# KiCad board gridnavigator.kicad_pcb
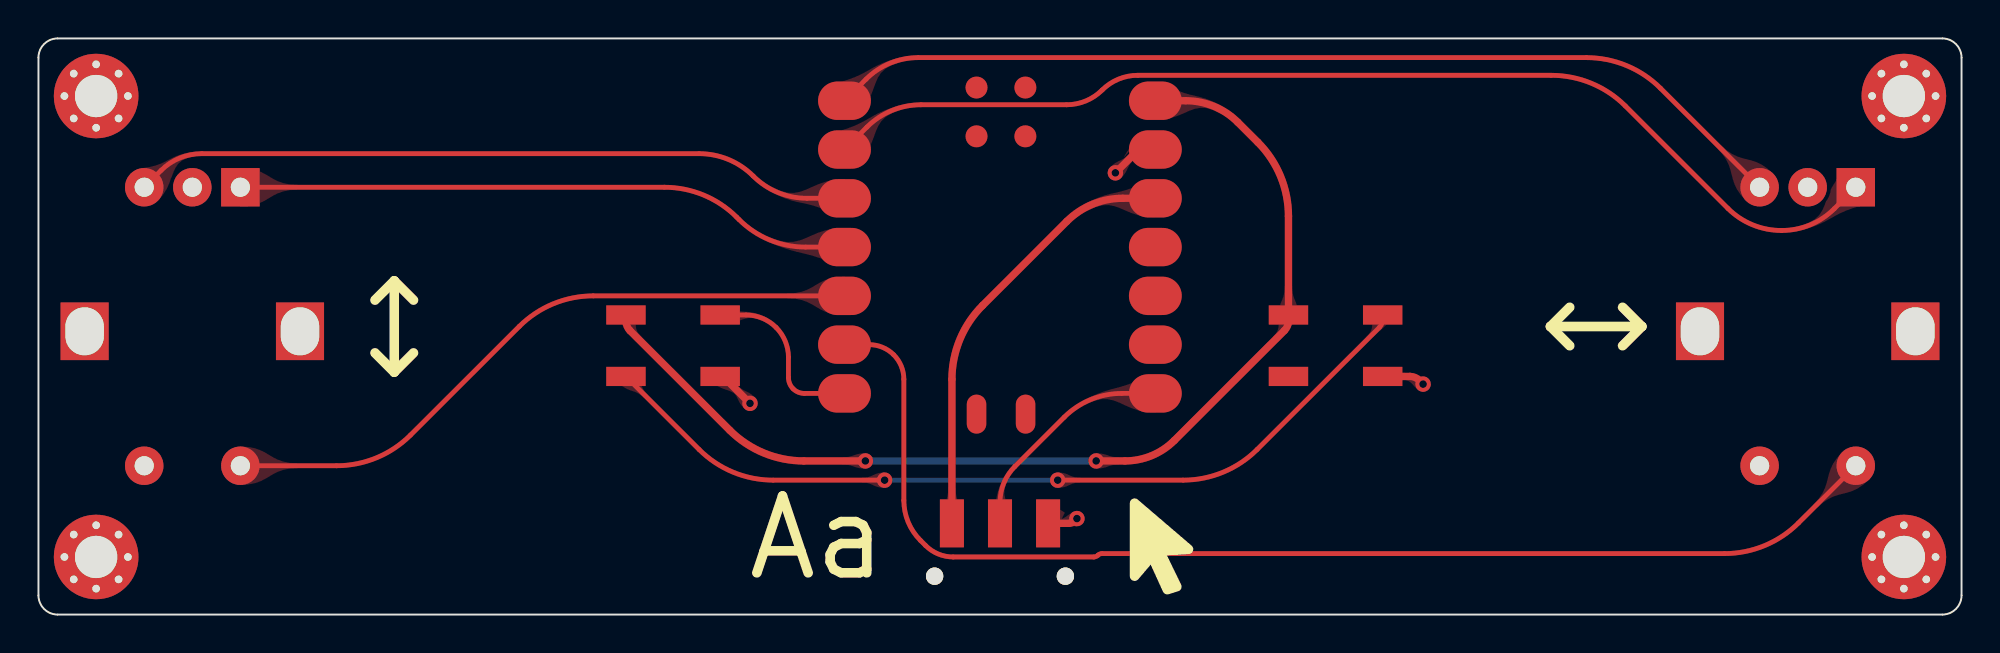
[diagram p0: board, top side]
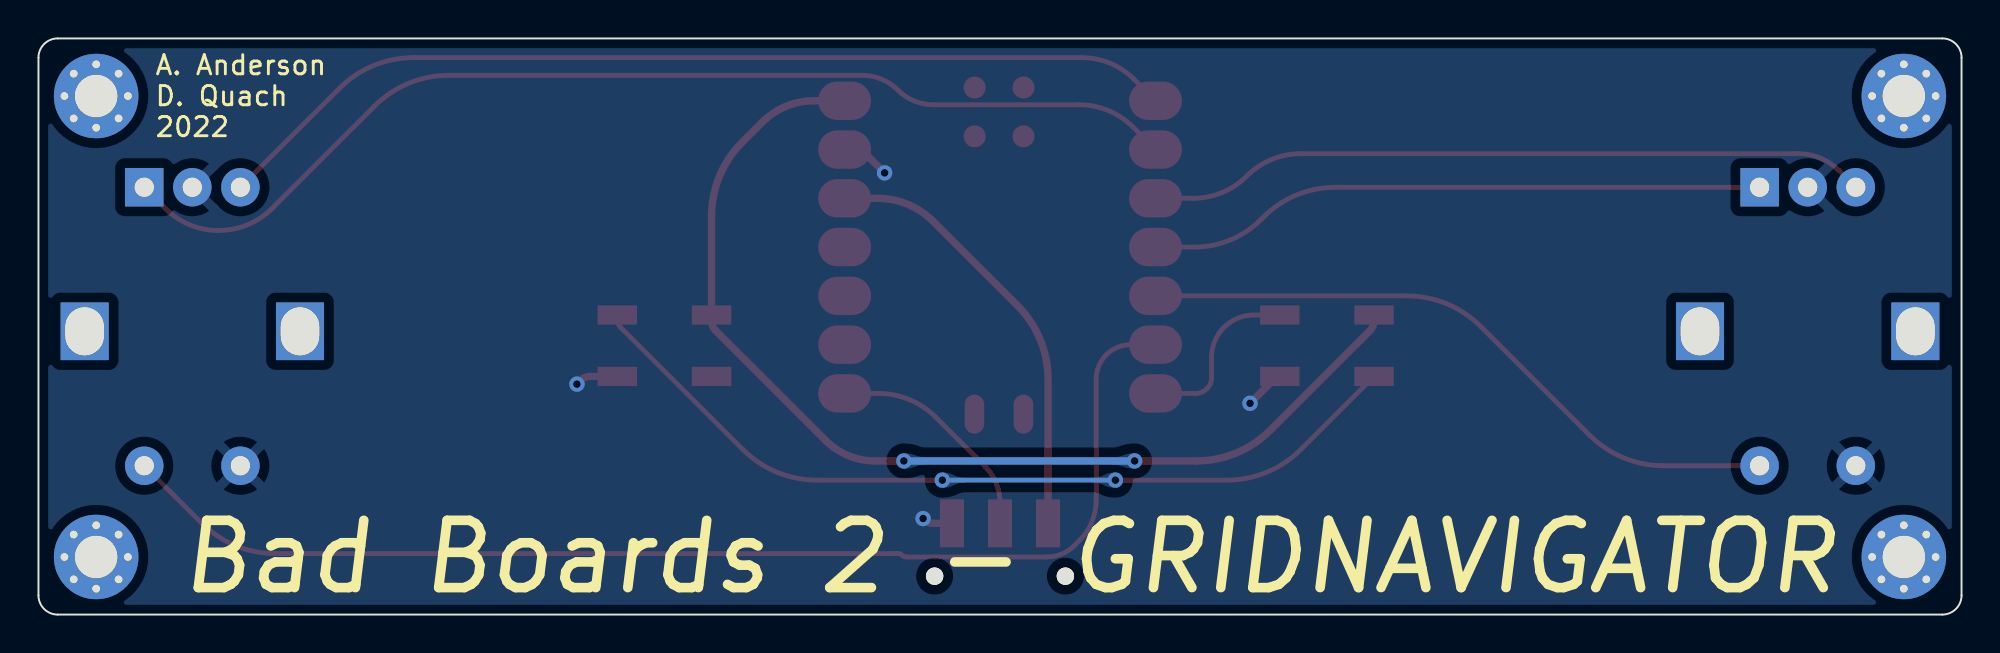
[diagram p1: board, bottom side, seen from below]

Outline 100 x 30 mm; copper layers: Top, Bottom. Coordinates in mm from the lower left corner of the outline.
Outline path: 0,29 arc(0.29,29.71) 1,30 99,30 arc(99.71,29.71) 100,29 100,1 arc(99.71,0.29) 99,0 1,0 arc(0.29,0.29) 0,1 0,29
Stack: Top 0.035mm / dielectric 1.51mm FR4 er 4.5 / Bottom 0.035mm

## Placement (name value [footprint] x y rotation side)
D1  WS2812B  [LED_WS2812B_PLCC4_5.0x5.0mm_P3.2mm_longpads]  33 14 0 top
D2  WS2812B  [LED_WS2812B_PLCC4_5.0x5.0mm_P3.2mm_longpads]  67.45 14 0 top
REF**  -  [MountingHole_2.2mm_M2_Pad_Via]  97 3 0 top
REF**#2  -  [MountingHole_2.2mm_M2_Pad_Via]  3 27 0 top
REF**#3  -  [MountingHole_2.2mm_M2_Pad_Via]  97 27 0 top
REF**#4  -  [MountingHole_2.2mm_M2_Pad_Via]  3 3 0 top
SW1  RotaryEncoder_Switch  [RotaryEncoder_Alps_EC12E-Switch_Vertical_H20mm]  10.5 22.25 270 top
SW2  RotaryEncoder_Switch  [RotaryEncoder_Alps_EC12E-Switch_Vertical_H20mm]  94.5 22.25 270 top
SW3  SW_SPDT  [SW_SPDT_CK-JS102011SAQN]  50 2 0 top
U1  SeeeduinoXIAO  [Seeeduino XIAO-MOUDLE14P-2.54-21X17.8MM]  41.08 8.64 0 top

## Library data of the parts
D1 D2 = -: Field4: 1

## Footprints (pads in the part's own frame, mm; a bottom-side part is the same pattern mirrored in y, then rotated)
LED_WS2812B_PLCC4_5.0x5.0mm_P3.2mm_longpads
  rect 2.05x1 smd: 1(-2.45,1.6) 2(-2.45,-1.6) 3(2.45,-1.6) 4(2.45,1.6)
MountingHole_2.2mm_M2_Pad_Via
  round 0.7 hole 0.4: 1(-1.65,0) 1(-1.167,1.167) 1(-1.167,-1.167) 1(0,1.65) 1(0,-1.65) 1(1.167,1.167) 1(1.167,-1.167) 1(1.65,0)
  round 4.4 hole 2.2: 1(0,0)
RotaryEncoder_Alps_EC12E-Switch_Vertical_H20mm
  rect 2x2 hole 1: A(0,0)
  round 2 hole 1: B(0,-5) C(0,-2.5) S1(14.5,0) S2(14.5,-5)
  rect 3x2.5 hole 2.5x2: MP(7.5,3.1) MP(7.5,-8.1)
Seeeduino XIAO-MOUDLE14P-2.54-21X17.8MM
  oval 2.748x1.999 smd: 1(0.833,18.118) 2(0.833,15.578) 3(0.833,13.038) 4(0.833,10.498) 5(0.833,7.958) 6(0.833,5.418) 7(0.833,2.878) 8(16.998,2.878) 9(16.998,5.418) 10(16.998,7.958) 11(16.998,10.498) 12(16.998,13.038) 13(16.998,15.578) 14(16.998,18.118)
  oval 1.016x2.032 smd: 15(7.7,1.8) 16(10.25,1.8)
  round 1.143 smd: 17(7.699,18.804) 18(10.239,18.804) 19(7.699,16.264) 20(10.239,16.264)
SW_SPDT_CK-JS102011SAQN
  round 0.9 hole 0.9 unplated: (-3.4,0) (3.4,0)
  rect 1.25x2.5 smd: 1(-2.5,2.75) 2(0,2.75) 3(2.5,2.75)

## Nets
+3V3: SW3.1 U1.12
+5V: D1.1 D2.1 U1.14
Earth: D1.3 D2.3 SW1.C SW1.S2 SW2.C SW2.S2 SW3.3 U1.13
Net-(D1-Pad2): D1.2 D2.4
Net-(D1-Pad4): D1.4 U1.7
Net-(SW1-PadA): SW1.A U1.4
Net-(SW1-PadB): SW1.B U1.3
Net-(SW1-PadS1): SW1.S1 U1.5
Net-(SW2-PadA): SW2.A U1.2
Net-(SW2-PadB): SW2.B U1.1
Net-(SW2-PadS1): SW2.S1 U1.6
Net-(SW3-Pad2): SW3.2 U1.8

Pads without a net: D2 2; REF** 1; REF**#2 1; REF**#3 1; REF**#4 1; SW1 MP; SW2 MP; U1 9 10 11 15 16 17 18 19 20

## Via types
v1: diameter 0.8, hole 0.4, Top to Bottom, 8 vias

## Routing (per net, layer and track width the routed paths; a pad name or vN(x,y) marks a point on that pad's centre or on a via; arc(x,y) is an arc through that point)
+3V3: length 22.9
  Top w0.381: U1.12 56.38,21.68 arc(54.8,21.36) 53.47,20.47 49.09,16.09 arc(47.91,14.33) 47.5,12.25 SW3.1
+5V: length 56.5
  Top w0.381: U1.14 59.66,26.76 arc(61.12,26.46) 62.36,25.64 63.41,24.59 arc(64.59,22.83) 65,20.75 65,15.3 arc(64.94,15.02) 64.79,14.79 59.06,9.06 arc(57.89,8.28) 56.5,8 v1(55,8) ; D1.1 30.55,15.3 arc(30.61,15.02) 30.76,14.78 35.95,9.59 arc(37.72,8.41) 39.8,8 v1(43,8)
  Bottom w0.381: v1(55,8) v1(43,8)
Earth: length 8.5
  Top w0.381: v1(54,5) 53.88,4.88 arc(53.74,4.78) 53.57,4.75 SW3.3 ; D1.3 35.53,12.4 arc(35.59,12.39) 35.65,12.35 v1(37,11) ; D2.3 71.32,12.4 arc(71.58,12.35) 71.8,12.2 v1(72,12) ; v1(56,23) 56.91,23.91 arc(57.25,24.14) 57.65,24.22 U1.13
Net-(D1-Pad2): length 44.9
  Top w0.25: v1(53,7) 59.52,7 arc(61.6,7.41) 63.37,8.59 69.73,14.96 arc(69.86,15.14) 69.9,15.36 D2.4 ; D1.2 34.36,8.59 arc(36.12,7.41) 38.2,7 v1(44,7)
  Bottom w0.25: v1(44,7) v1(53,7)
Net-(D1-Pad4): length 9.2
  Top w0.25: U1.7 39.83,11.52 arc(39.51,11.58) 39.24,11.76 arc(39.06,12.03) 39,12.34 39,13.39 arc(38.83,14.24) 38.35,14.95 arc(37.64,15.43) 36.79,15.6 D1.4
Net-(SW1-PadA): length 32.3
  Top w0.25: SW1.A 32.55,22.25 arc(34.58,21.85) 36.31,20.69 36.43,20.57 arc(38.02,19.51) 39.89,19.14 U1.4
Net-(SW1-PadB): length 37.6
  Top w0.25: U1.3 39.97,21.68 arc(38.45,21.98) 37.16,22.84 arc(35.87,23.7) 34.36,24 8.49,24 arc(7.34,23.77) 6.38,23.12 SW1.B
Net-(SW1-PadS1): length 34.6
  Top w0.25: U1.5 28.85,16.6 arc(26.77,16.18) 25,15 19.34,9.34 arc(17.58,8.16) 15.5,7.75 SW1.S1
Net-(SW2-PadA): length 57.5
  Top w0.25: SW2.A 93.38,21.12 arc(92.13,20.29) 90.66,20 90.62,20 arc(89.12,20.3) 87.85,21.15 82.51,26.49 arc(80.75,27.67) 78.67,28.08 57.16,28.08 arc(56.16,27.88) 55.31,27.31 arc(54.46,26.74) 53.46,26.55 45.89,26.55 arc(44.37,26.24) 43.08,25.38 U1.2
Net-(SW2-PadB): length 50.9
  Top w0.25: SW2.B 84.34,27.41 arc(82.58,28.59) 80.5,29 45.75,29 arc(44.28,28.71) 43.04,27.88 U1.1
Net-(SW2-PadS1): length 63.4
  Top w0.25: U1.6 43.2,14.06 arc(43.89,13.92) 44.47,13.53 arc(44.86,12.94) 45,12.25 45,5.95 arc(45.22,4.82) 45.86,3.86 46.13,3.59 arc(46.79,3.15) 47.56,3 54.88,3 arc(54.99,3.02) 55.09,3.09 arc(55.18,3.15) 55.3,3.18 87.67,3.18 arc(89.75,3.59) 91.52,4.77 SW2.S1
Net-(SW3-Pad2): length 11.9
  Top w0.25: SW3.2 50,5.84 arc(50.2,6.85) 50.77,7.71 53.34,10.28 arc(54.71,11.19) 56.33,11.52 U1.8

## Copper pours and planes (outline as drawn; the poured copper is in the pictures)
+3V3 on Top: 54.54,21.03 54.98,21.22 55.34,21.31 55.66,21.32 55.95,21.26 56.23,21.16 56.52,21.04 56.83,20.91 57.18,20.79 57.59,20.71 58.08,20.68 58.58,21.68 57.61,22.56 57.19,22.35 56.83,22.2 56.52,22.1 56.25,22.02 55.73,21.9 55.45,21.83 55.14,21.72 54.79,21.57 54.37,21.37
+3V3 on Top: 47.31,6.62 47.3,6.36 47.26,6.15 47.22,5.97 47.16,5.82 47.03,5.55 46.97,5.4 46.92,5.22 46.89,5.01 46.88,4.75 47.5,4.44 48.12,4.75 48.11,5.01 48.08,5.22 48.03,5.4 47.97,5.55 47.84,5.82 47.78,5.97 47.74,6.15 47.7,6.36 47.69,6.62
+5V on Top: 64.81,17.1 64.8,16.89 64.78,16.72 64.74,16.58 64.7,16.46 64.61,16.24 64.57,16.12 64.53,15.98 64.51,15.81 64.5,15.6 65,15.35 65.5,15.6 65.49,15.81 65.47,15.98 65.43,16.12 65.39,16.24 65.3,16.46 65.26,16.58 65.22,16.72 65.2,16.89 65.19,17.1
+5V on Top: 61.67,26.41 61.27,26.62 60.93,26.77 60.64,26.88 60.37,26.96 59.87,27.08 59.61,27.15 59.31,27.26 58.97,27.41 58.58,27.62 57.58,26.76 58.08,25.76 58.55,25.79 58.94,25.87 59.28,25.99 59.59,26.12 59.86,26.24 60.13,26.33 60.41,26.39 60.72,26.37 61.07,26.28 61.48,26.08
+5V on Top: 64.47,14.2 64.6,14.33 64.7,14.45 64.78,14.55 64.85,14.64 64.97,14.81 65.04,14.9 65.12,15 65.22,15.11 65.35,15.25 65.04,15.85 64.51,15.67 64.49,15.5 64.48,15.35 64.48,15.22 64.49,15.11 64.48,15 64.47,14.9 64.44,14.81 64.39,14.7 64.31,14.59 64.2,14.47
+5V on Top: 41.81,7.81 41.97,7.8 42.11,7.79 42.22,7.76 42.32,7.74 42.49,7.67 42.59,7.65 42.7,7.62 42.84,7.61 43,7.6 43.2,8 43,8.4 42.84,8.39 42.7,8.38 42.59,8.35 42.49,8.33 42.32,8.26 42.22,8.24 42.11,8.21 41.97,8.2 41.81,8.19
+5V on Top: 31.35,14.47 31.24,14.59 31.16,14.7 31.11,14.8 31.08,14.9 31.06,15 31.06,15.11 31.07,15.22 31.07,15.35 31.06,15.5 31.05,15.67 30.52,15.85 30.2,15.25 30.33,15.11 30.43,15 30.51,14.9 30.58,14.81 30.7,14.64 30.77,14.55 30.85,14.45 30.95,14.33 31.08,14.2
+5V on Top: 56.19,8.19 56.03,8.2 55.89,8.21 55.78,8.24 55.68,8.26 55.51,8.33 55.41,8.35 55.3,8.38 55.16,8.39 55,8.4 54.8,8 55,7.6 55.16,7.61 55.3,7.62 55.41,7.65 55.51,7.67 55.68,7.74 55.78,7.76 55.89,7.79 56.03,7.8 56.19,7.81
+5V on Bottom: 53.81,7.81 53.97,7.8 54.11,7.79 54.22,7.76 54.32,7.74 54.49,7.67 54.59,7.65 54.7,7.62 54.84,7.61 55,7.6 55.2,8 55,8.4 54.84,8.39 54.7,8.38 54.59,8.35 54.49,8.33 54.32,8.26 54.22,8.24 54.11,8.21 53.97,8.2 53.81,8.19
+5V on Bottom: 44.19,8.19 44.03,8.2 43.89,8.21 43.78,8.24 43.68,8.26 43.51,8.33 43.41,8.35 43.3,8.38 43.16,8.39 43,8.4 42.8,8 43,7.6 43.16,7.61 43.3,7.62 43.41,7.65 43.51,7.67 43.68,7.74 43.78,7.76 43.89,7.79 44.03,7.8 44.19,7.81
Earth on Top: 56.21,23.48 56.11,23.38 56.15,23.45 56.3,23.63 56.53,23.9 57.06,24.51 57.29,24.78 57.44,24.96 57.48,25.02 57.37,24.92 58.56,24.35 57.8,25.18 57.47,25.02 57.15,24.77 56.86,24.45 56.61,24.1 56.4,23.76 56.26,23.45 56.19,23.21 56.19,23.07 56.29,23.06 56.48,23.21
Earth on Top: 53.05,5.51 53.01,5.45 52.96,5.4 52.92,5.38 52.87,5.36 52.83,5.35 52.77,5.35 52.65,5.37 52.58,5.37 52.5,5.38 52.19,4.75 53.03,4.41 53.09,4.52 53.14,4.62 53.17,4.71 53.19,4.78 53.21,4.93 53.23,5.01 53.26,5.1 53.31,5.19 53.37,5.3
Earth on Top: 36.02,11.71 36.14,11.59 36.22,11.48 36.28,11.39 36.33,11.3 36.41,11.13 36.46,11.04 36.52,10.94 36.61,10.84 36.72,10.72 37.14,10.86 37.28,11.28 37.16,11.39 37.06,11.48 36.96,11.54 36.87,11.59 36.7,11.67 36.61,11.72 36.52,11.78 36.41,11.86 36.29,11.98
Earth on Top: 70.92,12.21 71.05,12.2 71.16,12.19 71.24,12.16 71.31,12.12 71.38,12.07 71.43,12.01 71.56,11.87 71.64,11.78 71.74,11.69 72.15,11.87 72,12.4 71.85,12.41 71.73,12.42 71.63,12.44 71.54,12.47 71.38,12.52 71.29,12.55 71.19,12.57 71.07,12.59 70.92,12.59
Earth on Top: 56.71,23.98 56.59,23.86 56.48,23.78 56.39,23.72 56.3,23.67 56.13,23.59 56.04,23.54 55.94,23.48 55.84,23.39 55.72,23.28 55.86,22.86 56.28,22.72 56.39,22.84 56.48,22.94 56.54,23.04 56.59,23.13 56.67,23.3 56.72,23.39 56.78,23.48 56.86,23.59 56.98,23.71
Earth on Top: 72.19,11.81 72.11,12.03 71.97,12.15 71.77,12.19 71.54,12.17 71.04,12.09 70.81,12.08 70.61,12.11 70.47,12.23 70.4,12.45 69.65,12.4 69.9,11.9 70.18,11.92 70.46,11.98 70.71,12.05 70.95,12.13 71.17,12.19 71.37,12.23 71.53,12.22 71.66,12.15 71.75,12 71.81,11.77
Earth on Top: 36.71,11.56 36.57,11.7 36.47,11.83 36.38,11.95 36.32,12.05 36.2,12.26 36.13,12.36 36.05,12.48 35.94,12.61 35.8,12.75 35.24,12.54 35.18,11.98 35.35,11.88 35.49,11.81 35.62,11.75 35.74,11.71 35.85,11.68 35.95,11.64 36.06,11.59 36.18,11.52 36.3,11.42 36.44,11.29
Earth on Top: 52.87,4.56 53.02,4.56 53.15,4.56 53.26,4.57 53.61,4.59 53.72,4.6 53.85,4.6 54,4.6 54.17,5.1 53.8,5.35 53.68,5.28 53.58,5.21 53.43,5.1 53.36,5.05 53.29,5.01 53.21,4.98 53.12,4.96 53.01,4.95 52.87,4.94
Earth on Bottom: 119,22 108,-3 -9.29,-7.72 -7.29,37.28 108,40
Net-(D1-Pad2) on Top: 54.19,7.12 54.02,7.13 53.89,7.15 53.78,7.18 53.68,7.22 53.51,7.3 53.41,7.34 53.3,7.37 53.17,7.39 53,7.4 52.8,7 53,6.6 53.17,6.61 53.3,6.63 53.41,6.66 53.51,6.7 53.68,6.78 53.78,6.82 53.89,6.85 54.02,6.87 54.19,6.88
Net-(D1-Pad2) on Top: 42.81,6.88 42.98,6.87 43.11,6.85 43.22,6.82 43.32,6.78 43.49,6.7 43.59,6.66 43.7,6.63 43.83,6.61 44,6.6 44.2,7 44,7.4 43.83,7.39 43.7,7.37 43.59,7.34 43.49,7.3 43.32,7.22 43.22,7.18 43.11,7.15 42.98,7.13 42.81,7.12
Net-(D1-Pad2) on Top: 69.23,14.28 69.37,14.42 69.48,14.53 69.58,14.62 69.66,14.69 69.82,14.84 69.91,14.91 70,15 70.12,15.11 70.25,15.25 69.96,15.84 69.41,15.72 69.38,15.54 69.36,15.39 69.36,15.25 69.36,15.13 69.35,15.02 69.34,14.92 69.31,14.81 69.26,14.71 69.17,14.59 69.06,14.46
Net-(D1-Pad2) on Top: 31.69,11.43 31.55,11.59 31.45,11.73 31.38,11.86 31.34,11.98 31.26,12.21 31.21,12.33 31.14,12.46 31.04,12.6 30.9,12.75 30.37,12.58 30.2,12.05 30.35,11.91 30.49,11.81 30.62,11.74 30.74,11.69 30.97,11.61 31.09,11.57 31.22,11.5 31.36,11.4 31.52,11.26
Net-(D1-Pad2) on Bottom: 51.81,6.88 51.98,6.87 52.11,6.85 52.22,6.82 52.32,6.78 52.49,6.7 52.59,6.66 52.7,6.63 52.83,6.61 53,6.6 53.2,7 53,7.4 52.83,7.39 52.7,7.37 52.59,7.34 52.49,7.3 52.32,7.22 52.22,7.18 52.11,7.15 51.98,7.13 51.81,7.12
Net-(D1-Pad2) on Bottom: 45.19,7.12 45.02,7.13 44.89,7.15 44.78,7.18 44.68,7.22 44.51,7.3 44.41,7.34 44.3,7.37 44.17,7.39 44,7.4 43.8,7 44,6.6 44.17,6.61 44.3,6.63 44.41,6.66 44.51,6.7 44.68,6.78 44.78,6.82 44.89,6.85 45.02,6.87 45.19,6.88
Net-(D1-Pad4) on Top: 37.81,15.49 37.54,15.61 37.3,15.69 37.1,15.73 36.92,15.76 36.57,15.78 36.38,15.81 36.18,15.85 35.94,15.93 35.67,16.05 35.2,15.6 35.45,15.1 35.76,15.12 36.02,15.16 36.24,15.23 36.44,15.3 36.62,15.37 36.8,15.42 36.98,15.45 37.19,15.44 37.43,15.38 37.7,15.26
Net-(SW1-PadA) on Top: 13.49,22.38 13.07,22.4 12.73,22.47 12.45,22.56 12.21,22.68 11.78,22.94 11.54,23.06 11.26,23.16 10.92,23.23 10.5,23.25 10,22.25 10.5,21.25 10.92,21.27 11.26,21.34 11.54,21.44 11.78,21.56 12.21,21.82 12.45,21.94 12.73,22.03 13.07,22.1 13.49,22.12
Net-(SW1-PadA) on Top: 37.9,19.42 38.37,19.23 38.78,19.08 39.12,18.97 39.42,18.89 39.99,18.75 40.29,18.67 40.64,18.56 41.04,18.42 41.52,18.22 42.41,19.14 41.91,20.13 41.37,20.1 40.92,20.01 40.54,19.88 40.2,19.74 39.89,19.6 39.59,19.48 39.27,19.41 38.91,19.4 38.49,19.48 37.99,19.65
Net-(SW1-PadB) on Top: 37.99,22.06 38.44,21.83 38.81,21.67 39.14,21.56 39.43,21.49 39.99,21.37 40.28,21.29 40.61,21.19 40.99,21.03 41.43,20.8 42.41,21.68 41.91,22.67 41.39,22.64 40.95,22.54 40.57,22.41 40.23,22.27 39.92,22.13 39.62,22.02 39.31,21.96 38.97,21.96 38.57,22.06 38.11,22.28
Net-(SW1-PadB) on Top: 8.13,24.1 7.74,24.04 7.43,23.97 7.18,23.88 6.96,23.78 6.56,23.57 6.34,23.47 6.08,23.38 5.77,23.3 5.38,23.24 5.15,21.9 6.21,21.54 6.48,21.86 6.68,22.18 6.82,22.48 6.92,22.77 7.02,23.03 7.13,23.27 7.27,23.48 7.48,23.65 7.77,23.78 8.16,23.86
Net-(SW1-PadS1) on Top: 38.92,16.47 39.34,16.45 39.68,16.38 39.96,16.28 40.2,16.16 40.64,15.9 40.88,15.78 41.15,15.69 41.49,15.62 41.91,15.6 42.41,16.6 41.91,17.59 41.49,17.57 41.15,17.5 40.88,17.41 40.64,17.29 40.2,17.03 39.96,16.91 39.68,16.81 39.34,16.74 38.92,16.72
Net-(SW1-PadS1) on Top: 13.49,7.88 13.07,7.9 12.73,7.97 12.45,8.06 12.21,8.18 11.78,8.44 11.54,8.56 11.26,8.66 10.92,8.73 10.5,8.75 10,7.75 10.5,6.75 10.92,6.77 11.26,6.84 11.54,6.94 11.78,7.06 12.21,7.32 12.45,7.44 12.73,7.53 13.07,7.6 13.49,7.62
Net-(SW2-PadA) on Top: 91.7,20.01 92.13,20.14 92.48,20.27 92.76,20.4 93.01,20.52 93.45,20.77 93.7,20.9 93.98,21.03 94.33,21.16 94.76,21.28 94.85,22.6 93.79,22.96 93.48,22.6 93.26,22.25 93.1,21.92 92.98,21.61 92.88,21.32 92.76,21.05 92.6,20.81 92.38,20.59 92.06,20.41 91.63,20.25
Net-(SW2-PadA) on Top: 44.75,26.51 44.31,26.37 43.95,26.23 43.66,26.1 43.42,25.97 42.96,25.71 42.72,25.58 42.43,25.45 42.07,25.31 41.63,25.18 41.56,23.86 42.62,23.51 42.94,23.88 43.16,24.23 43.32,24.56 43.44,24.88 43.55,25.17 43.67,25.44 43.83,25.69 44.06,25.91 44.38,26.1 44.82,26.27
Net-(SW2-PadB) on Top: 87.3,24.28 87.58,23.96 87.77,23.67 87.9,23.41 87.98,23.16 88.11,22.66 88.19,22.41 88.32,22.14 88.51,21.86 88.79,21.54 89.85,21.9 90.21,22.96 89.89,23.24 89.61,23.43 89.34,23.56 89.09,23.64 88.59,23.77 88.34,23.85 88.08,23.98 87.79,24.17 87.47,24.45
Net-(SW2-PadB) on Top: 44.71,28.99 44.28,28.86 43.93,28.73 43.65,28.61 43.41,28.48 42.96,28.23 42.72,28.1 42.43,27.98 42.08,27.85 41.65,27.72 41.56,26.4 42.62,26.05 42.93,26.41 43.15,26.76 43.31,27.09 43.43,27.4 43.53,27.69 43.65,27.95 43.81,28.2 44.03,28.41 44.35,28.59 44.78,28.75
Net-(SW2-PadS1) on Top: 92.47,5.55 92.79,5.83 93.08,6.02 93.34,6.15 93.59,6.23 94.09,6.36 94.34,6.44 94.61,6.57 94.89,6.76 95.21,7.04 94.85,8.1 93.79,8.46 93.51,8.14 93.32,7.86 93.19,7.59 93.11,7.34 92.98,6.84 92.9,6.59 92.77,6.33 92.58,6.04 92.3,5.72
Net-(SW3-Pad2) on Top: 50.18,7.1 50.05,6.84 49.96,6.61 49.89,6.41 49.85,6.24 49.77,5.9 49.73,5.73 49.66,5.53 49.57,5.3 49.44,5.03 50,4.44 50.62,4.75 50.6,5.06 50.55,5.32 50.48,5.54 50.4,5.74 50.32,5.92 50.26,6.09 50.22,6.28 50.23,6.48 50.28,6.71 50.4,6.99
Net-(SW3-Pad2) on Top: 54.46,10.94 54.91,11.13 55.28,11.21 55.61,11.21 55.91,11.15 56.19,11.04 56.48,10.9 56.8,10.76 57.16,10.64 57.58,10.55 58.08,10.52 58.58,11.52 57.62,12.4 57.19,12.2 56.83,12.05 56.52,11.94 56.24,11.85 55.72,11.71 55.45,11.63 55.14,11.52 54.77,11.37 54.35,11.16

## Text on the board
B.Silkscreen: A. Anderson / D. Quach / 2022 | Bad Boards 2 - GRIDNAVIGATOR
F.Silkscreen: Aa
